# KiCad board IMXDesign.kicad_pcb (continued)
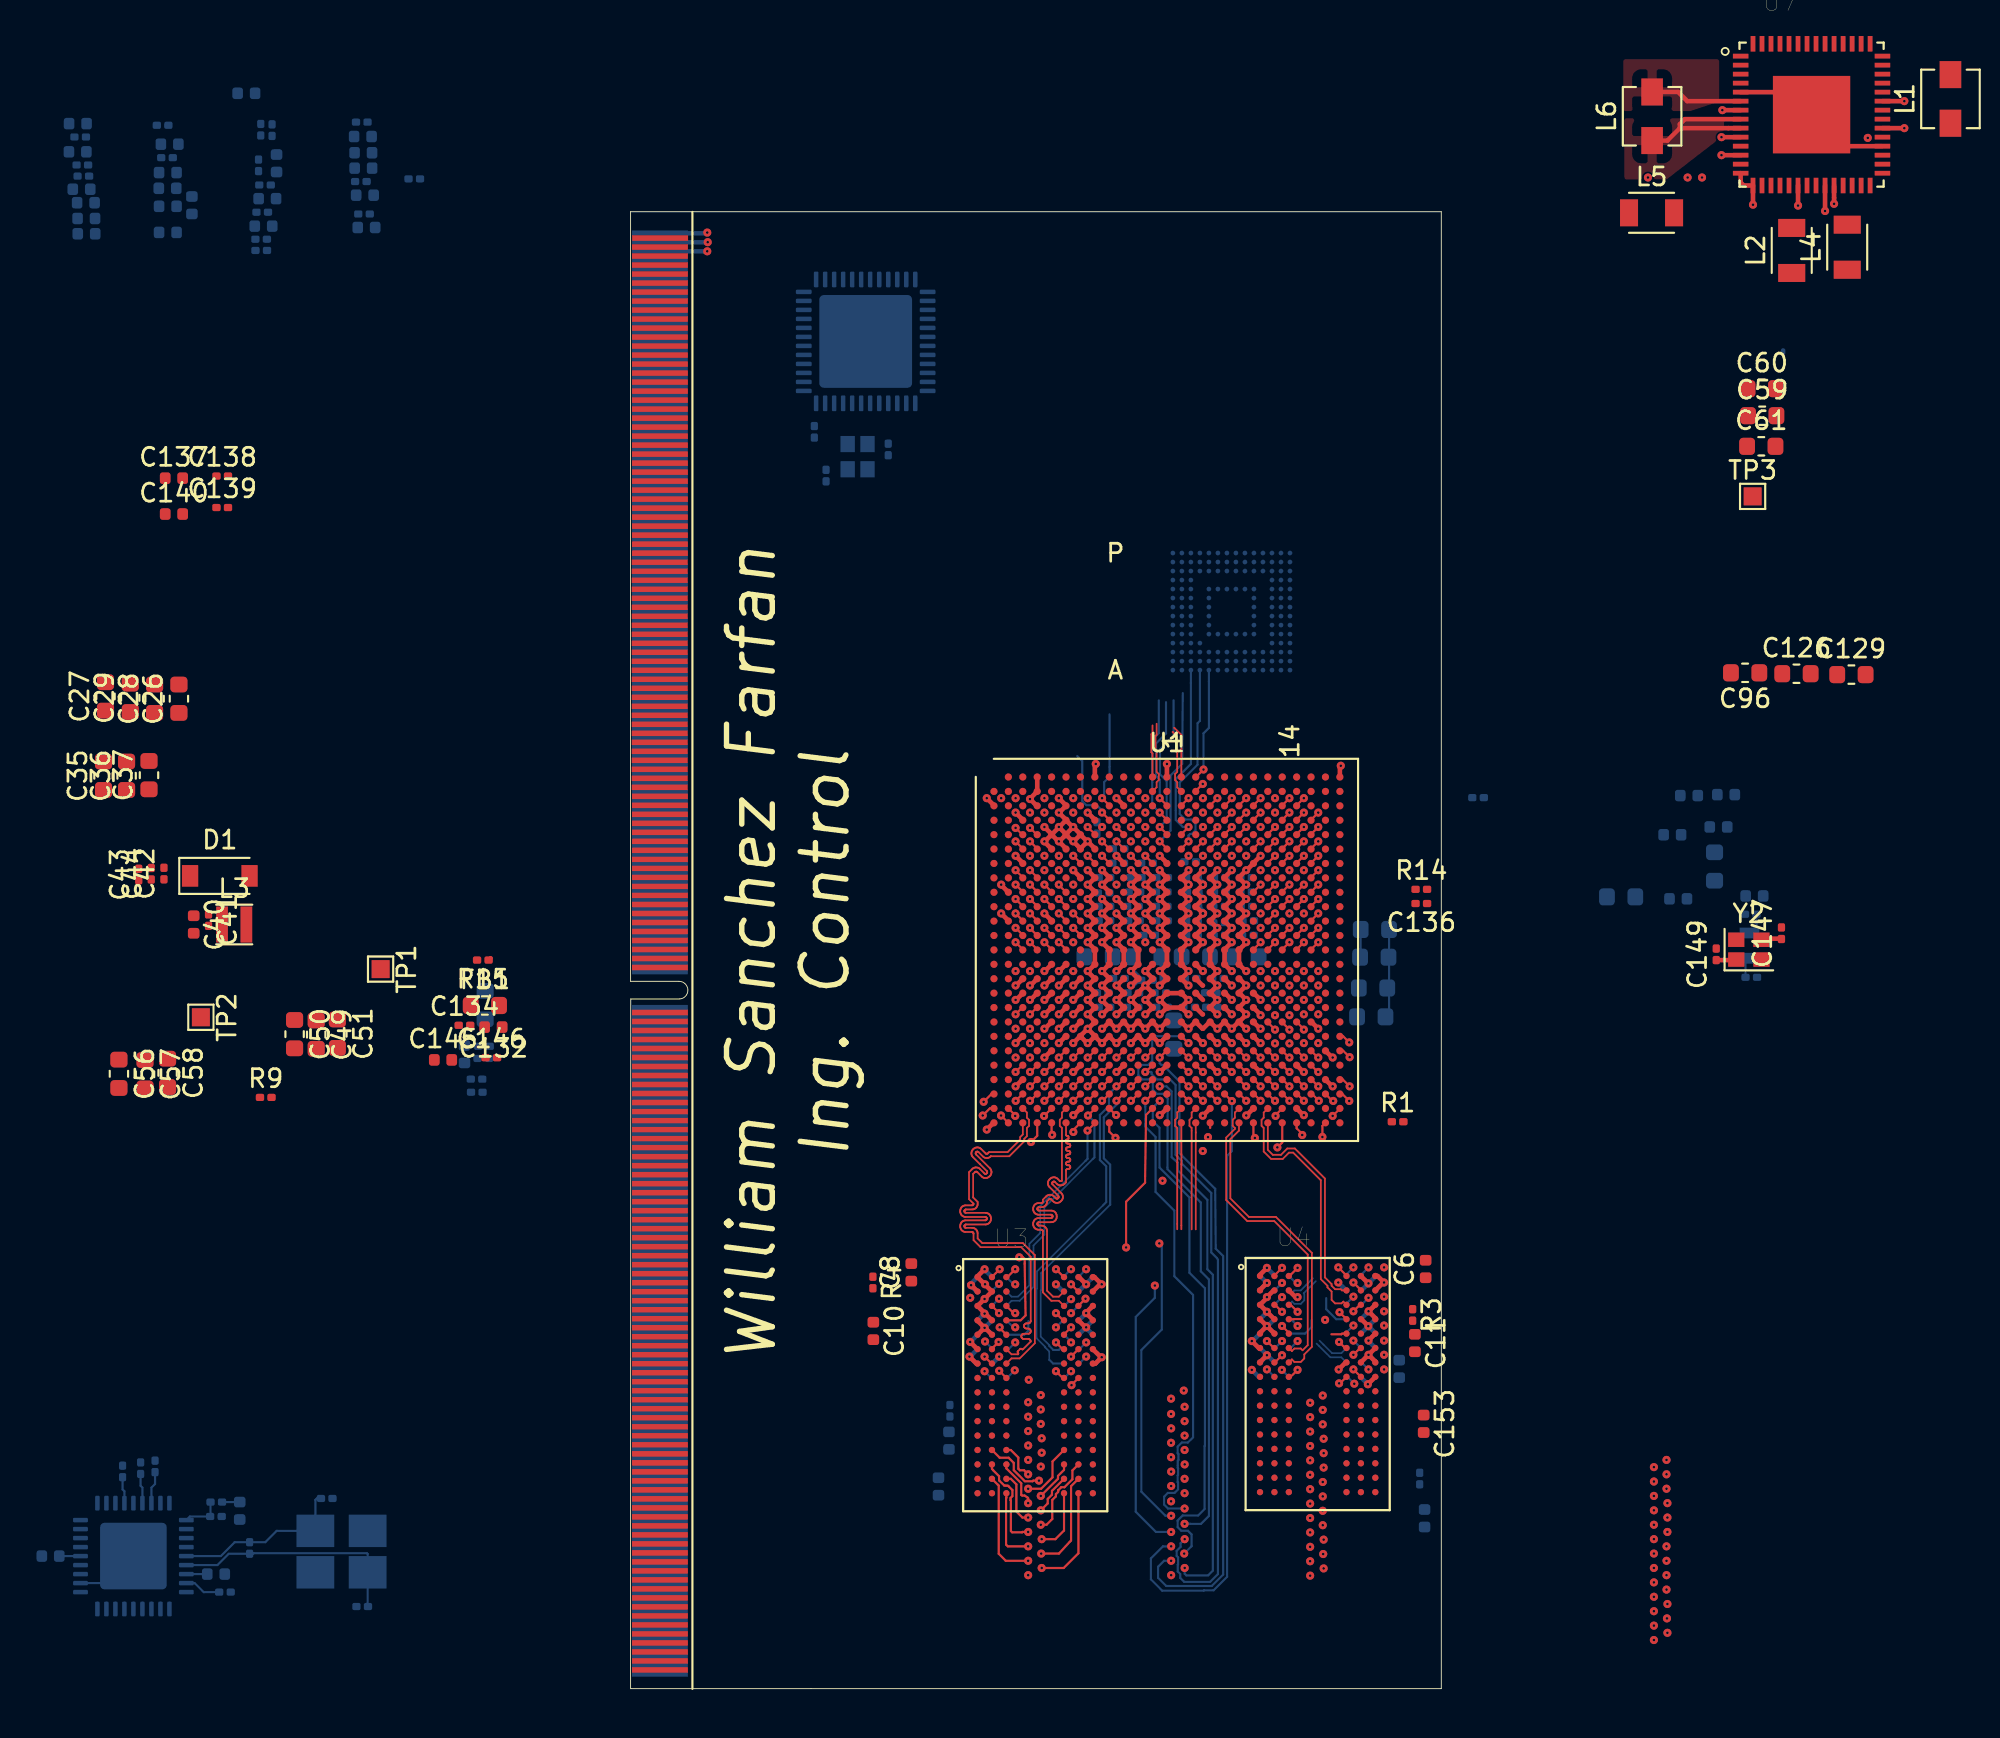
[diagram p0: board, top side]
## Routing (per net, layer and track width the routed paths; a pad name or vN(x,y) marks a point on that pad's centre or on a via; arc(x,y) is an arc through that point) (continued)
/DDR3_Memory/CPU_DDR3/DRAM_D8: length 16.6
  Top w0.119: v1(22.95,31.8) U1.AD5 ; U3.D7 24.01,20.45 v1(23.61,20.85) ; 22.98,31.76 22.98,31.82
  In2.Cu w0.119: v1(23.61,20.85) 23.61,21.19 22.57,22.23 22.57,23.18 22.57,23.21 22.58,23.23 22.59,23.25 22.6,23.26 22.62,23.27 22.64,23.28 22.69,23.29 22.71,23.29 22.73,23.31 22.74,23.32 22.76,23.34 22.76,23.36 22.77,23.38 22.77,23.53 22.76,23.56 22.76,23.58 22.74,23.6 22.73,23.61 22.71,23.62 22.69,23.63 22.64,23.64 22.62,23.64 22.6,23.66 22.59,23.67 22.58,23.69 22.57,23.71 22.57,23.73 22.57,23.88 22.57,23.91 22.58,23.93 22.59,23.95 22.6,23.96 22.62,23.97 22.64,23.98 22.69,23.99 22.71,23.99 22.73,24.01 22.74,24.02 22.76,24.04 22.76,24.06 22.77,24.08 22.77,24.23 22.76,24.26 22.76,24.28 22.74,24.3 22.73,24.31 22.71,24.32 22.69,24.33 22.64,24.34 22.62,24.34 22.6,24.36 22.59,24.37 22.58,24.39 22.57,24.41 22.57,24.43 22.57,24.46 22.58,24.48 22.59,24.5 22.6,24.51 22.62,24.52 22.64,24.53 22.69,24.54 22.71,24.54 22.73,24.55 22.74,24.57 22.76,24.59 22.76,24.61 22.77,24.63 22.77,24.78 22.76,24.81 22.76,24.83 22.74,24.85 22.73,24.86 22.71,24.87 22.69,24.88 22.67,24.88 22.57,24.88 22.47,24.88 22.44,24.89 22.42,24.89 22.4,24.91 22.39,24.92 22.38,24.94 22.37,24.96 22.37,24.98 22.37,25.13 22.37,25.16 22.38,25.18 22.39,25.2 22.4,25.21 22.42,25.22 22.44,25.23 22.49,25.24 22.51,25.24 22.53,25.26 22.55,25.27 22.56,25.29 22.56,25.31 22.57,25.33 22.25,25.65 22.25,26.27 22.25,26.3 22.24,26.32 22.23,26.34 22.21,26.35 22.19,26.36 22.17,26.37 22.13,26.38 22.11,26.38 22.09,26.4 22.07,26.41 22.06,26.43 22.05,26.45 22.05,26.47 22.05,26.62 22.05,26.65 22.06,26.67 22.07,26.69 22.09,26.7 22.11,26.71 22.13,26.72 22.15,26.72 22.35,26.72 22.37,26.73 22.39,26.73 22.41,26.75 22.43,26.76 22.44,26.78 22.45,26.8 22.45,26.82 22.45,26.97 22.45,27 22.44,27.02 22.43,27.04 22.41,27.05 22.39,27.06 22.37,27.07 22.35,27.07 22.15,27.07 22.13,27.08 22.11,27.08 22.09,27.1 22.07,27.11 22.06,27.13 22.05,27.15 22.05,27.17 22.05,27.32 22.05,27.35 22.06,27.37 22.07,27.39 22.09,27.4 22.11,27.41 22.13,27.42 22.15,27.42 22.35,27.42 22.37,27.43 22.39,27.43 22.41,27.45 22.43,27.46 22.44,27.48 22.45,27.5 22.45,27.52 22.45,27.67 22.45,27.7 22.44,27.72 22.43,27.74 22.41,27.75 22.39,27.76 22.37,27.77 22.35,27.77 22.15,27.77 22.13,27.78 22.11,27.78 22.09,27.8 22.07,27.81 22.06,27.83 22.05,27.85 22.05,27.87 22.05,28.02 22.05,28.05 22.06,28.07 22.07,28.09 22.09,28.1 22.11,28.11 22.13,28.12 22.15,28.12 22.35,28.12 22.37,28.13 22.39,28.13 22.41,28.15 22.43,28.16 22.44,28.18 22.45,28.2 22.45,28.22 22.45,28.37 22.45,28.4 22.44,28.42 22.43,28.44 22.41,28.45 22.39,28.46 22.37,28.47 22.35,28.47 22.25,28.47 22.15,28.47 22.13,28.48 22.11,28.48 22.09,28.5 22.07,28.51 22.06,28.53 22.05,28.55 22.05,28.57 22.05,28.72 22.05,28.75 22.06,28.77 22.07,28.79 22.09,28.8 22.11,28.81 22.13,28.82 22.17,28.83 22.19,28.83 22.21,28.85 22.23,28.86 22.24,28.88 22.25,28.9 22.25,28.92 22.95,29.62 22.95,30.6 22.95,30.61 22.95,30.62 22.94,30.63 22.93,30.64 22.92,30.65 22.91,30.65 22.89,30.65 22.88,30.65 22.87,30.66 22.86,30.67 22.85,30.68 22.85,30.69 22.85,30.7 22.85,30.95 22.85,30.96 22.85,30.97 22.86,30.98 22.87,30.99 22.88,31 22.89,31 22.9,31 22.95,31 23.05,31 23.07,31 23.09,31.01 23.11,31.02 23.13,31.04 23.14,31.06 23.15,31.08 23.15,31.1 23.15,31.25 23.15,31.27 23.14,31.29 23.13,31.31 23.11,31.33 23.09,31.34 23.07,31.35 23.03,31.35 23.01,31.36 22.99,31.37 22.97,31.39 22.96,31.41 22.95,31.43 22.95,31.45 v1(22.95,31.8)
/DDR3_Memory/CPU_DDR3/DRAM_D9: length 16.5
  Top w0.114: v1(23.4,30.75) 23.37,30.78 U1.AE5
  Top w0.119: v1(23.61,23.29) 24.05,22.85 U3.A7
  In2.Cu w0.119: v1(23.61,23.29) 23.39,23.51 23.39,24.26 23.38,24.29 23.37,24.31 23.36,24.34 23.34,24.36 23.32,24.37 23.29,24.38 23.27,24.38 23.16,24.38 23.13,24.38 23.11,24.39 23.08,24.41 23.06,24.43 23.05,24.45 23.04,24.47 23.04,24.5 23.04,24.53 23.05,24.55 23.06,24.58 23.08,24.59 23.11,24.61 23.13,24.62 23.16,24.62 23.27,24.62 23.29,24.62 23.32,24.63 23.34,24.65 23.36,24.67 23.37,24.69 23.38,24.71 23.39,24.74 22.83,25.3 22.83,25.47 22.83,25.49 22.84,25.52 22.85,25.54 22.87,25.56 22.89,25.57 22.92,25.58 22.94,25.58 23.05,25.58 23.08,25.59 23.1,25.6 23.13,25.61 23.15,25.63 23.16,25.65 23.17,25.68 23.17,25.7 23.17,25.73 23.16,25.76 23.15,25.78 23.13,25.8 23.1,25.81 23.08,25.82 23.05,25.82 22.6,25.82 22.57,25.83 22.55,25.84 22.52,25.85 22.5,25.87 22.49,25.89 22.48,25.92 22.48,25.94 22.48,25.97 22.49,25.99 22.5,26.02 22.52,26.04 22.55,26.05 22.57,26.06 22.6,26.06 23.05,26.06 23.08,26.07 23.1,26.07 23.13,26.09 23.15,26.11 23.16,26.13 23.17,26.16 23.17,26.18 23.17,26.21 23.16,26.23 23.15,26.26 23.13,26.28 23.1,26.29 23.08,26.3 23.05,26.3 22.6,26.3 22.57,26.3 22.55,26.31 22.52,26.33 22.5,26.35 22.49,26.37 22.48,26.39 22.48,26.42 22.48,26.45 22.49,26.47 22.5,26.49 22.52,26.51 22.55,26.53 22.57,26.54 22.6,26.54 23.05,26.54 23.08,26.54 23.1,26.55 23.13,26.57 23.15,26.58 23.16,26.61 23.17,26.63 23.17,26.66 23.17,26.69 23.16,26.71 23.15,26.73 23.13,26.75 23.1,26.77 23.08,26.78 23.05,26.78 22.75,26.78 22.73,26.78 22.72,26.79 22.71,26.79 22.69,26.81 22.68,26.82 22.68,26.84 22.68,26.85 22.68,26.94 22.68,26.96 22.68,26.98 22.69,26.99 22.71,27 22.72,27.01 22.73,27.02 22.75,27.02 23.05,27.02 23.08,27.02 23.1,27.03 23.13,27.04 23.15,27.06 23.16,27.09 23.17,27.11 23.17,27.14 23.17,27.16 23.16,27.19 23.15,27.21 23.13,27.23 23.1,27.24 23.08,27.25 23.05,27.26 22.75,27.26 22.73,27.26 22.72,27.26 22.71,27.27 22.69,27.28 22.68,27.3 22.68,27.31 22.68,27.33 22.68,27.42 22.68,27.44 22.68,27.45 22.69,27.47 22.71,27.48 22.72,27.49 22.73,27.49 22.75,27.49 23.05,27.49 23.08,27.5 23.1,27.51 23.13,27.52 23.15,27.54 23.16,27.56 23.17,27.59 23.17,27.61 23.17,27.64 23.16,27.67 23.15,27.69 23.13,27.71 23.1,27.72 23.08,27.73 23.05,27.73 22.75,27.73 22.73,27.74 22.72,27.74 22.71,27.75 22.69,27.76 22.68,27.78 22.68,27.79 22.68,27.81 22.68,27.9 22.68,27.92 22.68,27.93 22.69,27.94 22.71,27.96 22.72,27.97 22.73,27.97 22.75,27.97 23.05,27.97 23.08,27.98 23.1,27.98 23.13,28 23.15,28.02 23.16,28.04 23.17,28.07 23.17,28.09 23.17,28.12 23.16,28.14 23.15,28.17 23.13,28.19 23.1,28.2 23.08,28.21 23.05,28.21 22.83,28.21 22.75,28.21 22.73,28.21 22.72,28.22 22.71,28.23 22.69,28.24 22.68,28.25 22.68,28.27 22.68,28.29 22.68,28.38 22.68,28.39 22.68,28.41 22.69,28.42 22.71,28.44 22.72,28.44 22.73,28.45 22.77,28.45 22.78,28.46 22.8,28.47 22.81,28.48 22.82,28.49 22.82,28.51 22.83,28.53 23.4,29.1 23.4,29.41 23.4,29.43 23.39,29.45 23.38,29.47 23.36,29.49 23.34,29.5 23.32,29.51 23.28,29.51 23.26,29.52 23.24,29.53 23.22,29.55 23.21,29.56 23.21,29.59 23.2,29.61 23.2,29.65 23.21,29.67 23.21,29.69 23.22,29.71 23.24,29.73 23.26,29.74 23.28,29.75 23.3,29.75 23.63,29.75 23.65,29.75 23.68,29.76 23.7,29.77 23.72,29.79 23.74,29.82 23.74,29.84 23.75,29.87 23.74,29.89 23.74,29.92 23.72,29.94 23.7,29.96 23.68,29.97 23.65,29.98 23.63,29.99 23.4,29.99 23.4,29.99 23.3,29.99 23.28,29.99 23.26,30 23.24,30.01 23.22,30.02 23.21,30.04 23.21,30.06 23.2,30.09 23.2,30.13 23.21,30.15 23.21,30.17 23.22,30.19 23.24,30.2 23.26,30.22 23.28,30.22 23.32,30.23 23.34,30.24 23.36,30.25 23.38,30.26 23.39,30.28 23.4,30.3 23.4,30.32 v1(23.4,30.75)
/DDR3_Memory/CPU_DDR3/DRAM_D10: length 17.1
  Top w0.119: U3.A2 20.06,22.86 v1(20.49,23.29) ; 23.8,34.24 U1.AA6
  In2.Cu w0.119: v1(20.49,23.29) 20.49,26.22 20.49,26.23 20.5,26.24 20.5,26.25 20.51,26.26 20.52,26.26 20.53,26.27 20.55,26.27 20.56,26.27 20.57,26.28 20.58,26.29 20.59,26.29 20.59,26.31 20.59,26.32 20.59,26.47 20.59,26.48 20.59,26.49 20.58,26.5 20.57,26.51 20.56,26.51 20.55,26.52 20.54,26.52 20.44,26.52 20.43,26.52 20.42,26.52 20.41,26.53 20.4,26.54 20.4,26.54 20.39,26.56 20.39,26.57 20.39,26.72 20.39,26.73 20.4,26.74 20.4,26.75 20.41,26.76 20.42,26.76 20.43,26.77 20.44,26.77 20.54,26.77 20.55,26.77 20.56,26.77 20.57,26.78 20.58,26.79 20.59,26.79 20.59,26.81 20.59,26.82 20.59,26.97 20.59,26.98 20.59,26.99 20.58,27 20.57,27.01 20.56,27.01 20.55,27.02 20.54,27.02 20.44,27.02 20.43,27.02 20.42,27.02 20.41,27.03 20.4,27.04 20.4,27.04 20.39,27.06 20.39,27.07 20.39,27.22 20.39,27.23 20.4,27.24 20.4,27.25 20.41,27.26 20.42,27.26 20.43,27.27 20.45,27.27 20.46,27.27 20.47,27.28 20.48,27.29 20.49,27.29 20.49,27.31 20.49,27.33 20.5,27.34 20.5,27.35 20.51,27.36 20.52,27.36 20.53,27.37 20.55,27.37 20.57,27.37 20.57,27.38 20.58,27.39 20.59,27.39 20.59,27.41 20.59,27.42 20.59,27.57 20.59,27.58 20.59,27.59 20.58,27.6 20.58,27.61 20.57,27.61 20.56,27.62 20.54,27.62 20.44,27.62 20.43,27.62 20.42,27.62 20.41,27.63 20.4,27.64 20.4,27.64 20.4,27.66 20.39,27.67 20.39,27.82 20.4,27.83 20.4,27.84 20.41,27.85 20.41,27.86 20.42,27.86 20.43,27.87 20.44,27.87 20.54,27.87 20.56,27.87 20.57,27.87 20.58,27.88 20.58,27.89 20.59,27.89 20.59,27.91 20.59,27.92 20.59,28.07 20.59,28.08 20.59,28.09 20.58,28.1 20.58,28.11 20.57,28.11 20.56,28.12 20.54,28.12 20.44,28.12 20.43,28.12 20.42,28.12 20.41,28.13 20.41,28.14 20.4,28.14 20.4,28.16 20.39,28.17 20.4,28.32 20.4,28.33 20.4,28.34 20.41,28.35 20.41,28.36 20.42,28.36 20.43,28.37 20.45,28.37 20.55,28.37 20.56,28.37 20.57,28.37 20.58,28.38 20.58,28.39 20.59,28.39 20.59,28.41 20.6,28.42 20.6,28.57 20.59,28.58 20.59,28.59 20.58,28.6 20.58,28.61 20.57,28.61 20.56,28.62 20.55,28.62 20.45,28.62 20.43,28.62 20.42,28.62 20.41,28.63 20.41,28.64 20.4,28.64 20.4,28.66 20.4,28.67 20.4,28.82 20.4,28.83 20.4,28.84 20.41,28.85 20.41,28.86 20.42,28.86 20.43,28.87 20.46,28.87 20.47,28.87 20.48,28.88 20.49,28.89 20.49,28.89 20.49,28.91 20.5,28.93 20.5,28.94 20.51,28.95 20.52,28.96 20.52,28.96 20.54,28.97 20.56,28.97 20.57,28.97 20.58,28.98 20.59,28.99 20.59,28.99 20.6,29.01 20.6,29.02 20.6,29.17 20.6,29.18 20.59,29.19 20.59,29.2 20.58,29.21 20.57,29.21 20.56,29.22 20.54,29.22 20.53,29.22 20.52,29.23 20.51,29.24 20.5,29.24 20.5,29.26 20.5,29.27 20.5,31.05 20.18,31.37 20.18,32.82 21.19,33.82 21.52,33.82 21.79,34.09 21.79,34.42 21.99,34.62 23.39,34.62 v1(23.77,34.24)
/DDR3_Memory/CPU_DDR3/DRAM_D11: length 16.5
  Top w0.119: U1.AE7 24.58,31.02 v1(24.58,30.91) ; U3.B8 24.85,22.05 v1(24.45,22.45)
  In2.Cu w0.119: v1(24.45,22.45) 24.45,22.72 24.83,23.1 24.83,23.47 24.45,23.85 24.45,24 24.25,24.2 24.25,24.5 24.25,24.53 24.26,24.55 24.27,24.56 24.29,24.58 24.31,24.59 24.33,24.6 24.37,24.6 24.39,24.61 24.41,24.62 24.43,24.64 24.44,24.66 24.45,24.68 24.45,24.7 24.45,24.74 24.45,24.76 24.44,24.78 24.43,24.8 24.41,24.82 24.39,24.83 24.37,24.84 24.35,24.84 24.18,24.84 24.16,24.84 24.14,24.85 24.13,24.86 24.12,24.87 24.11,24.88 24.1,24.9 24.1,24.92 24.1,25.01 24.1,25.02 24.11,25.04 24.12,25.05 24.13,25.06 24.14,25.07 24.16,25.08 24.18,25.08 24.35,25.08 24.37,25.08 24.39,25.09 24.41,25.1 24.43,25.12 24.44,25.14 24.45,25.16 24.45,25.18 24.45,25.22 24.45,25.24 24.44,25.26 24.43,25.28 24.41,25.3 24.39,25.31 24.37,25.32 24.35,25.32 24.15,25.32 24.13,25.32 24.11,25.33 24.09,25.34 24.07,25.36 24.06,25.37 24.05,25.4 24.05,25.42 24.05,25.46 24.05,25.48 24.06,25.5 24.07,25.52 24.09,25.54 24.11,25.55 24.13,25.55 24.15,25.56 24.35,25.56 24.37,25.56 24.39,25.57 24.41,25.58 24.43,25.59 24.44,25.61 24.45,25.63 24.45,25.66 24.45,25.7 24.45,25.72 24.44,25.74 24.43,25.76 24.41,25.77 24.39,25.79 24.37,25.79 24.35,25.8 24.15,25.8 24.13,25.8 24.11,25.81 24.09,25.82 24.07,25.83 24.06,25.85 24.05,25.87 24.05,25.9 24.05,25.94 24.05,25.96 24.06,25.98 24.07,26 24.09,26.01 24.11,26.03 24.13,26.03 24.15,26.03 24.35,26.03 24.37,26.04 24.39,26.04 24.41,26.06 24.43,26.07 24.44,26.09 24.45,26.11 24.45,26.13 24.45,26.17 24.45,26.2 24.44,26.22 24.43,26.24 24.41,26.25 24.39,26.26 24.37,26.27 24.35,26.27 24.15,26.27 24.13,26.28 24.11,26.28 24.09,26.3 24.07,26.31 24.06,26.33 24.05,26.35 24.05,26.37 24.05,26.41 24.05,26.44 24.06,26.46 24.07,26.48 24.09,26.49 24.11,26.5 24.13,26.51 24.15,26.51 24.35,26.51 24.37,26.51 24.39,26.52 24.41,26.53 24.43,26.55 24.44,26.57 24.45,26.59 24.45,26.61 24.45,26.65 24.45,26.67 24.44,26.69 24.43,26.71 24.41,26.73 24.39,26.74 24.37,26.75 24.35,26.75 24.15,26.75 24.13,26.75 24.11,26.76 24.09,26.77 24.07,26.79 24.06,26.81 24.05,26.83 24.05,26.85 24.05,26.89 24.05,26.91 24.06,26.93 24.07,26.95 24.09,26.97 24.11,26.98 24.13,26.99 24.15,26.99 24.35,26.99 24.37,26.99 24.39,27 24.41,27.01 24.43,27.03 24.44,27.05 24.45,27.07 24.45,27.09 24.45,27.13 24.45,27.15 24.44,27.17 24.43,27.19 24.41,27.21 24.39,27.22 24.37,27.23 24.35,27.23 24.15,27.23 24.13,27.23 24.11,27.24 24.09,27.25 24.07,27.27 24.06,27.28 24.05,27.31 24.05,27.33 24.05,27.37 24.05,27.39 24.06,27.41 24.07,27.43 24.09,27.45 24.11,27.46 24.13,27.46 24.15,27.47 24.35,27.47 24.37,27.47 24.39,27.48 24.41,27.49 24.43,27.5 24.44,27.52 24.45,27.54 24.45,27.57 24.45,27.61 24.45,27.63 24.44,27.65 24.43,27.67 24.41,27.68 24.39,27.7 24.37,27.7 24.35,27.71 24.15,27.71 24.13,27.71 24.11,27.72 24.09,27.73 24.07,27.74 24.06,27.76 24.05,27.78 24.05,27.81 24.05,27.85 24.05,27.87 24.06,27.89 24.07,27.91 24.09,27.92 24.11,27.94 24.13,27.94 24.15,27.94 24.35,27.94 24.37,27.95 24.39,27.95 24.41,27.97 24.43,27.98 24.44,28 24.45,28.02 24.45,28.04 24.45,28.08 24.45,28.11 24.44,28.13 24.43,28.15 24.41,28.16 24.39,28.17 24.37,28.18 24.35,28.18 24.15,28.18 24.13,28.19 24.11,28.19 24.09,28.21 24.07,28.22 24.06,28.24 24.05,28.26 24.05,28.28 24.05,28.32 24.05,28.35 24.06,28.37 24.07,28.39 24.09,28.4 24.11,28.41 24.13,28.42 24.15,28.42 24.35,28.42 24.37,28.42 24.39,28.43 24.41,28.44 24.43,28.46 24.44,28.48 24.45,28.5 24.45,28.52 24.45,28.56 24.45,28.58 24.44,28.61 24.43,28.62 24.41,28.64 24.39,28.65 24.37,28.66 24.35,28.66 24.25,28.66 24.15,28.66 24.13,28.66 24.11,28.67 24.09,28.68 24.07,28.7 24.06,28.72 24.05,28.74 24.05,28.76 24.05,28.8 24.05,28.82 24.06,28.84 24.07,28.86 24.09,28.88 24.11,28.89 24.13,28.9 24.17,28.9 24.19,28.91 24.21,28.92 24.23,28.94 24.24,28.96 24.25,28.98 24.25,29 24.58,29.33 24.58,29.51 24.57,29.53 24.57,29.55 24.55,29.57 24.54,29.59 24.52,29.6 24.5,29.61 24.45,29.61 24.43,29.62 24.41,29.63 24.4,29.65 24.39,29.67 24.38,29.69 24.38,29.71 24.38,29.75 24.38,29.77 24.39,29.79 24.4,29.81 24.41,29.83 24.43,29.84 24.45,29.85 24.48,29.85 24.67,29.85 24.7,29.85 24.72,29.86 24.74,29.87 24.75,29.89 24.76,29.9 24.77,29.93 24.77,29.95 24.77,29.99 24.77,30.01 24.76,30.03 24.75,30.05 24.74,30.07 24.72,30.08 24.7,30.08 24.67,30.09 24.58,30.09 24.58,30.09 24.48,30.09 24.45,30.09 24.43,30.1 24.41,30.11 24.4,30.12 24.39,30.14 24.38,30.16 24.38,30.19 24.38,30.23 24.38,30.25 24.39,30.27 24.4,30.29 24.41,30.3 24.43,30.32 24.45,30.32 24.5,30.33 24.52,30.34 24.54,30.35 24.55,30.36 24.57,30.38 24.57,30.4 24.58,30.43 v1(24.58,30.91)
/DDR3_Memory/CPU_DDR3/DRAM_D12: length 16.6
  Top w0.119: v1(22.97,33.44) 23,33.44 U1.AB5 ; v1(21.35,23.29) 20.91,22.85 U3.A3
  In2.Cu w0.119: v1(22.97,33.44) 22.59,33.82 21.99,33.82 21.79,33.62 21.79,33.31 21.49,33.02 21.19,33.02 20.97,32.79 20.96,32.78 20.96,32.77 20.95,32.76 20.95,32.76 20.94,32.75 20.93,32.75 20.9,32.74 20.89,32.74 20.88,32.73 20.88,32.73 20.87,32.72 20.87,32.71 20.87,32.69 20.87,32.44 20.87,32.43 20.87,32.42 20.88,32.41 20.88,32.41 20.89,32.4 20.9,32.4 20.92,32.39 21.02,32.39 21.03,32.39 21.04,32.39 21.05,32.38 21.05,32.38 21.06,32.37 21.06,32.36 21.07,32.34 21.07,32.09 21.06,32.08 21.06,32.07 21.05,32.06 21.05,32.06 21.04,32.05 21.03,32.05 21,32.04 20.99,32.04 20.98,32.03 20.98,32.03 20.97,32.02 20.97,32.01 20.97,31.99 20.97,31.16 20.97,31.15 20.97,31.14 20.97,31.13 20.96,31.12 20.96,31.11 20.95,31.1 20.94,31.1 20.91,31.1 20.9,31.1 20.89,31.09 20.89,31.08 20.88,31.07 20.88,31.06 20.87,31.05 20.87,30.8 20.88,30.79 20.88,30.78 20.89,30.77 20.89,30.76 20.9,30.76 20.91,30.75 20.92,30.75 21.02,30.75 21.04,30.75 21.05,30.74 21.06,30.74 21.06,30.73 21.07,30.72 21.07,30.71 21.07,30.7 21.07,30.45 21.07,30.44 21.07,30.43 21.06,30.42 21.06,30.41 21.05,30.4 21.04,30.4 21.02,30.4 20.92,30.4 20.91,30.4 20.9,30.4 20.89,30.39 20.88,30.38 20.88,30.37 20.88,30.36 20.87,30.35 20.87,30.1 20.87,30.09 20.88,30.08 20.88,30.07 20.89,30.06 20.9,30.06 20.91,30.05 20.92,30.05 21.02,30.05 21.03,30.05 21.05,30.04 21.05,30.04 21.06,30.03 21.07,30.02 21.07,30.01 21.07,30 21.07,29.75 21.07,29.74 21.07,29.73 21.06,29.72 21.05,29.71 21.04,29.7 21.03,29.7 21.02,29.7 20.92,29.7 20.91,29.7 20.9,29.7 20.89,29.69 20.88,29.68 20.88,29.67 20.87,29.66 20.87,29.65 20.87,29.4 20.87,29.39 20.88,29.38 20.88,29.37 20.89,29.36 20.9,29.36 20.91,29.35 20.92,29.35 21.02,29.35 21.03,29.35 21.04,29.34 21.05,29.34 21.06,29.33 21.07,29.32 21.07,29.31 21.07,29.3 21.07,29.05 21.07,29.04 21.07,29.03 21.06,29.02 21.05,29.01 21.04,29 21.03,29 21.02,29 20.92,29 20.91,29 20.9,29 20.89,28.99 20.88,28.98 20.88,28.97 20.87,28.96 20.87,28.95 20.87,28.7 20.87,28.69 20.88,28.68 20.88,28.67 20.89,28.66 20.9,28.66 20.91,28.65 20.92,28.65 21.02,28.65 21.03,28.65 21.04,28.64 21.05,28.64 21.06,28.63 21.07,28.62 21.07,28.61 21.07,28.6 21.07,28.35 21.07,28.34 21.07,28.33 21.06,28.32 21.05,28.31 21.04,28.3 21.03,28.3 21.02,28.3 20.92,28.3 20.91,28.3 20.9,28.3 20.89,28.29 20.88,28.28 20.88,28.27 20.87,28.26 20.87,28.25 20.87,28 20.87,27.99 20.88,27.98 20.88,27.97 20.89,27.96 20.9,27.96 20.91,27.95 20.92,27.95 21.02,27.95 21.03,27.95 21.04,27.94 21.05,27.94 21.06,27.93 21.07,27.92 21.07,27.91 21.07,27.9 21.07,27.65 21.07,27.64 21.07,27.63 21.06,27.62 21.05,27.61 21.04,27.6 21.03,27.6 21.02,27.6 20.92,27.6 20.91,27.6 20.9,27.6 20.89,27.59 20.88,27.58 20.88,27.57 20.87,27.56 20.87,27.55 20.87,27.3 20.87,27.29 20.87,27.28 20.88,27.27 20.89,27.26 20.9,27.26 20.91,27.25 20.92,27.25 21.02,27.25 21.03,27.25 21.04,27.24 21.05,27.24 21.06,27.23 21.06,27.22 21.07,27.21 21.07,27.2 21.07,26.95 21.07,26.94 21.06,26.93 21.06,26.92 21.05,26.91 21.04,26.9 21.03,26.9 21.02,26.9 20.92,26.9 20.91,26.9 20.9,26.9 20.89,26.89 20.88,26.88 20.87,26.87 20.87,26.86 20.87,26.85 20.87,26.6 20.87,26.59 20.87,26.58 20.88,26.57 20.89,26.56 20.9,26.56 20.91,26.55 20.92,26.55 21.02,26.55 21.03,26.55 21.04,26.54 21.05,26.54 21.06,26.53 21.06,26.52 21.07,26.51 21.07,26.5 21.07,26.25 21.07,26.24 21.06,26.23 21.06,26.22 21.05,26.21 21.04,26.2 21.03,26.2 21.02,26.2 20.92,26.2 20.91,26.2 20.9,26.2 20.89,26.19 20.88,26.18 20.87,26.17 20.87,26.16 20.87,26.15 20.87,25.9 20.87,25.89 20.87,25.88 20.88,25.87 20.89,25.86 20.9,25.86 20.91,25.85 20.92,25.85 21.02,25.85 21.03,25.85 21.04,25.84 21.05,25.84 21.06,25.83 21.06,25.82 21.07,25.81 21.07,25.8 21.07,25.55 21.07,25.54 21.06,25.53 21.06,25.52 21.05,25.51 21.04,25.5 21.03,25.5 21.02,25.5 20.92,25.5 20.91,25.5 20.9,25.5 20.89,25.49 20.88,25.48 20.87,25.47 20.87,25.46 20.87,25.45 20.87,25.2 20.87,25.19 20.87,25.18 20.88,25.17 20.89,25.16 20.9,25.16 20.91,25.15 20.93,25.15 20.94,25.15 20.95,25.14 20.96,25.13 20.96,25.12 20.97,25.11 20.97,25.1 20.97,23.67 v1(21.35,23.29)
/DDR3_Memory/CPU_DDR3/DRAM_D13: length 16.5
  Top w0.114: v1(20.45,20.85) 20.45,20.86 U3.C2
  Top w0.119: v1(22.97,32.64) 23,32.64 U1.AC5 ; U3.C2 20.07,21.25
  In2.Cu w0.119: v1(22.97,32.64) 22.91,32.64 22.25,31.98 22.25,30.94 21.84,30.53 21.84,29.96 21.85,29.95 21.85,29.4 21.6,29.15 21.6,24.8 21.96,24.44 21.96,23.19 21.96,23.16 21.95,23.14 21.93,23.12 21.91,23.1 21.89,23.08 21.87,23.07 21.84,23.07 21.73,23.07 21.71,23.07 21.68,23.06 21.66,23.04 21.64,23.03 21.63,23 21.62,22.98 21.61,22.95 21.62,22.92 21.63,22.9 21.64,22.88 21.66,22.86 21.68,22.84 21.71,22.83 21.73,22.83 21.84,22.83 21.87,22.83 21.89,22.82 21.91,22.81 21.93,22.79 21.95,22.76 21.96,22.74 21.96,22.71 21.96,22.67 21.96,22.65 21.95,22.63 21.94,22.61 21.92,22.59 21.9,22.58 21.88,22.57 21.84,22.57 21.82,22.56 21.8,22.55 21.79,22.53 21.77,22.52 21.77,22.5 21.76,22.47 21.76,22.43 21.77,22.41 21.77,22.39 21.79,22.37 21.8,22.35 21.82,22.34 21.84,22.33 21.88,22.33 21.9,22.32 21.92,22.31 21.94,22.3 21.95,22.28 21.96,22.26 21.96,22.23 21.96,21.93 21.88,21.86 21.86,21.84 21.84,21.83 21.81,21.82 21.78,21.82 21.76,21.83 21.73,21.84 21.71,21.86 21.57,22 21.55,22.02 21.52,22.03 21.5,22.04 21.47,22.04 21.44,22.03 21.42,22.02 21.4,22 21.38,21.98 21.37,21.96 21.36,21.93 21.36,21.9 21.37,21.88 21.38,21.85 21.4,21.83 21.79,21.44 21.8,21.42 21.82,21.4 21.82,21.37 21.82,21.35 21.82,21.32 21.8,21.3 21.79,21.27 21.77,21.26 21.74,21.25 21.72,21.24 21.69,21.24 21.66,21.25 21.64,21.26 21.62,21.27 21.54,21.35 21.52,21.37 21.5,21.38 21.47,21.38 21.45,21.38 21.42,21.38 21.4,21.37 21.38,21.35 20.95,21.35 v1(20.45,20.85)
/DDR3_Memory/CPU_DDR3/DRAM_D14: length 16.7
  Top w0.114: U3.C3 21.26,20.85 v1(21.35,20.85)
  Top w0.119: U1.AB6 23.8,33.44 v1(23.77,33.44) ; U3.C3 20.94,21.25
  In2.Cu w0.119: v1(23.77,33.44) 24.15,33.06 24.15,32.46 23.88,32.18 22.77,32.18 22.57,31.98 22.57,30.58 22.61,30.53 22.61,29.64 21.83,28.86 21.83,24.98 22.28,24.54 22.28,22.02 22.28,21.99 22.28,21.97 22.3,21.96 22.31,21.94 22.33,21.93 22.35,21.92 22.39,21.92 22.41,21.91 22.43,21.9 22.44,21.88 22.46,21.87 22.46,21.85 22.47,21.82 22.47,21.62 22.46,21.59 22.46,21.57 22.44,21.56 22.43,21.54 22.41,21.53 22.39,21.52 22.35,21.52 22.33,21.51 22.31,21.5 22.3,21.48 22.28,21.47 22.28,21.45 22.28,21.43 21.7,20.85 v1(21.35,20.85)
/DDR3_Memory/CPU_DDR3/DRAM_D15: length 16.5
  Top w0.119: v1(25.25,21.65) 24.86,21.26 U3.C8 24.86,21.25 ; v1(24.57,32.64) 24.59,32.64 U1.AC7
  In2.Cu w0.119: v1(25.25,21.65) 24.99,21.65 24.63,22.01 24.25,22.01 24,22.26 24,23.7 23.78,23.93 23.78,24.7 23.78,24.71 23.78,24.72 23.79,24.73 23.79,24.74 23.8,24.74 23.81,24.75 23.84,24.75 23.85,24.75 23.86,24.76 23.86,24.77 23.87,24.78 23.87,24.79 23.88,24.8 23.88,24.94 23.87,24.95 23.87,24.96 23.86,24.97 23.86,24.98 23.85,24.98 23.84,24.98 23.83,24.99 23.72,24.99 23.71,24.99 23.7,24.99 23.69,25 23.69,25.01 23.68,25.01 23.68,25.03 23.67,25.04 23.67,25.18 23.68,25.19 23.68,25.2 23.69,25.21 23.69,25.21 23.7,25.22 23.71,25.22 23.74,25.23 23.75,25.23 23.76,25.24 23.76,25.24 23.77,25.25 23.77,25.26 23.78,25.28 23.55,25.5 23.55,25.74 23.55,25.75 23.55,25.76 23.56,25.77 23.57,25.77 23.58,25.78 23.59,25.78 23.61,25.79 23.62,25.79 23.63,25.8 23.64,25.8 23.65,25.81 23.65,25.82 23.65,25.84 23.65,25.97 23.65,25.99 23.65,26 23.64,26.01 23.63,26.01 23.62,26.02 23.61,26.02 23.6,26.02 23.5,26.02 23.49,26.03 23.48,26.03 23.47,26.04 23.46,26.04 23.45,26.05 23.45,26.06 23.45,26.07 23.45,26.21 23.45,26.22 23.45,26.24 23.46,26.24 23.47,26.25 23.48,26.26 23.49,26.26 23.5,26.26 23.6,26.26 23.61,26.26 23.62,26.27 23.63,26.27 23.64,26.28 23.65,26.29 23.65,26.3 23.65,26.31 23.65,26.45 23.65,26.46 23.65,26.47 23.64,26.48 23.63,26.49 23.62,26.5 23.61,26.5 23.6,26.5 23.5,26.5 23.49,26.5 23.48,26.51 23.47,26.51 23.46,26.52 23.45,26.53 23.45,26.54 23.45,26.55 23.45,26.69 23.45,26.7 23.45,26.71 23.46,26.72 23.47,26.73 23.48,26.74 23.49,26.74 23.5,26.74 23.6,26.74 23.61,26.74 23.62,26.75 23.63,26.75 23.64,26.76 23.65,26.77 23.65,26.78 23.65,26.79 23.65,26.93 23.65,26.94 23.65,26.95 23.64,26.96 23.63,26.97 23.62,26.97 23.61,26.98 23.6,26.98 23.5,26.98 23.49,26.98 23.48,26.98 23.47,26.99 23.46,27 23.45,27.01 23.45,27.02 23.45,27.03 23.45,27.17 23.45,27.18 23.45,27.19 23.46,27.2 23.47,27.21 23.48,27.21 23.49,27.22 23.5,27.22 23.6,27.22 23.61,27.22 23.62,27.22 23.63,27.23 23.64,27.24 23.65,27.25 23.65,27.26 23.65,27.27 23.65,27.41 23.65,27.42 23.65,27.43 23.64,27.44 23.63,27.45 23.62,27.45 23.61,27.46 23.6,27.46 23.5,27.46 23.49,27.46 23.48,27.46 23.47,27.47 23.46,27.48 23.45,27.49 23.45,27.5 23.45,27.51 23.45,27.65 23.45,27.66 23.45,27.67 23.46,27.68 23.47,27.69 23.48,27.69 23.49,27.69 23.5,27.7 23.6,27.7 23.61,27.7 23.62,27.7 23.63,27.71 23.64,27.71 23.65,27.72 23.65,27.73 23.65,27.75 23.65,27.88 23.65,27.9 23.65,27.91 23.64,27.92 23.63,27.92 23.62,27.93 23.61,27.93 23.6,27.93 23.5,27.93 23.49,27.94 23.48,27.94 23.47,27.95 23.46,27.95 23.45,27.96 23.45,27.97 23.45,27.98 23.45,28.12 23.45,28.13 23.45,28.15 23.46,28.15 23.47,28.16 23.48,28.17 23.49,28.17 23.5,28.17 23.6,28.17 23.61,28.17 23.62,28.18 23.63,28.18 23.64,28.19 23.65,28.2 23.65,28.21 23.65,28.22 23.65,28.36 23.65,28.37 23.65,28.38 23.64,28.39 23.63,28.4 23.62,28.41 23.61,28.41 23.6,28.41 23.5,28.41 23.49,28.41 23.48,28.42 23.47,28.42 23.46,28.43 23.45,28.44 23.45,28.45 23.45,28.46 23.45,28.6 23.45,28.61 23.45,28.62 23.46,28.63 23.47,28.64 23.48,28.65 23.49,28.65 23.5,28.65 23.6,28.65 23.61,28.65 23.62,28.66 23.63,28.66 23.64,28.67 23.65,28.68 23.65,28.69 23.65,28.7 23.65,28.84 23.65,28.85 23.65,28.86 23.64,28.87 23.63,28.88 23.62,28.88 23.61,28.89 23.59,28.89 23.58,28.89 23.57,28.9 23.56,28.91 23.55,28.92 23.55,28.93 23.55,28.94 23.98,29.37 23.98,29.96 23.98,29.97 23.99,29.99 23.99,29.99 24,30 24.01,30.01 24.02,30.01 24.04,30.01 24.05,30.02 24.06,30.02 24.07,30.03 24.08,30.04 24.08,30.05 24.08,30.06 24.08,30.2 24.08,30.21 24.08,30.22 24.07,30.23 24.06,30.24 24.05,30.25 24.04,30.25 24.03,30.25 23.93,30.25 23.92,30.25 23.91,30.26 23.9,30.26 23.89,30.27 23.89,30.28 23.88,30.29 23.88,30.3 23.88,30.44 23.88,30.45 23.89,30.46 23.89,30.47 23.9,30.48 23.91,30.49 23.92,30.49 23.93,30.49 24.03,30.49 24.04,30.49 24.05,30.5 24.06,30.5 24.07,30.51 24.08,30.52 24.08,30.53 24.08,30.54 24.08,30.68 24.08,30.69 24.08,30.7 24.07,30.71 24.06,30.72 24.05,30.72 24.04,30.73 24.03,30.73 23.93,30.73 23.92,30.73 23.91,30.73 23.9,30.74 23.89,30.75 23.89,30.76 23.88,30.77 23.88,30.78 23.88,30.92 23.88,30.93 23.89,30.94 23.89,30.95 23.9,30.96 23.91,30.96 23.92,30.97 23.94,30.97 23.95,30.97 23.96,30.98 23.97,30.99 23.98,31 23.98,31.01 23.98,31.02 23.98,31.95 24.57,32.54 v1(24.57,32.64)
